# Altium PCB 2560TK_Pcb.PcbDoc (part 1 of 2)
Units mm, origin at the board's own origin, x right, y up, seen from the top; angles counter-clockwise.
Board outline 200.91 x 155.07 mm, 2 copper layers (Top Layer, Bottom Layer); 160 components, 155 nets, 636 pads, 0 vias.
Unrouted connection lines stored in the file: 210.
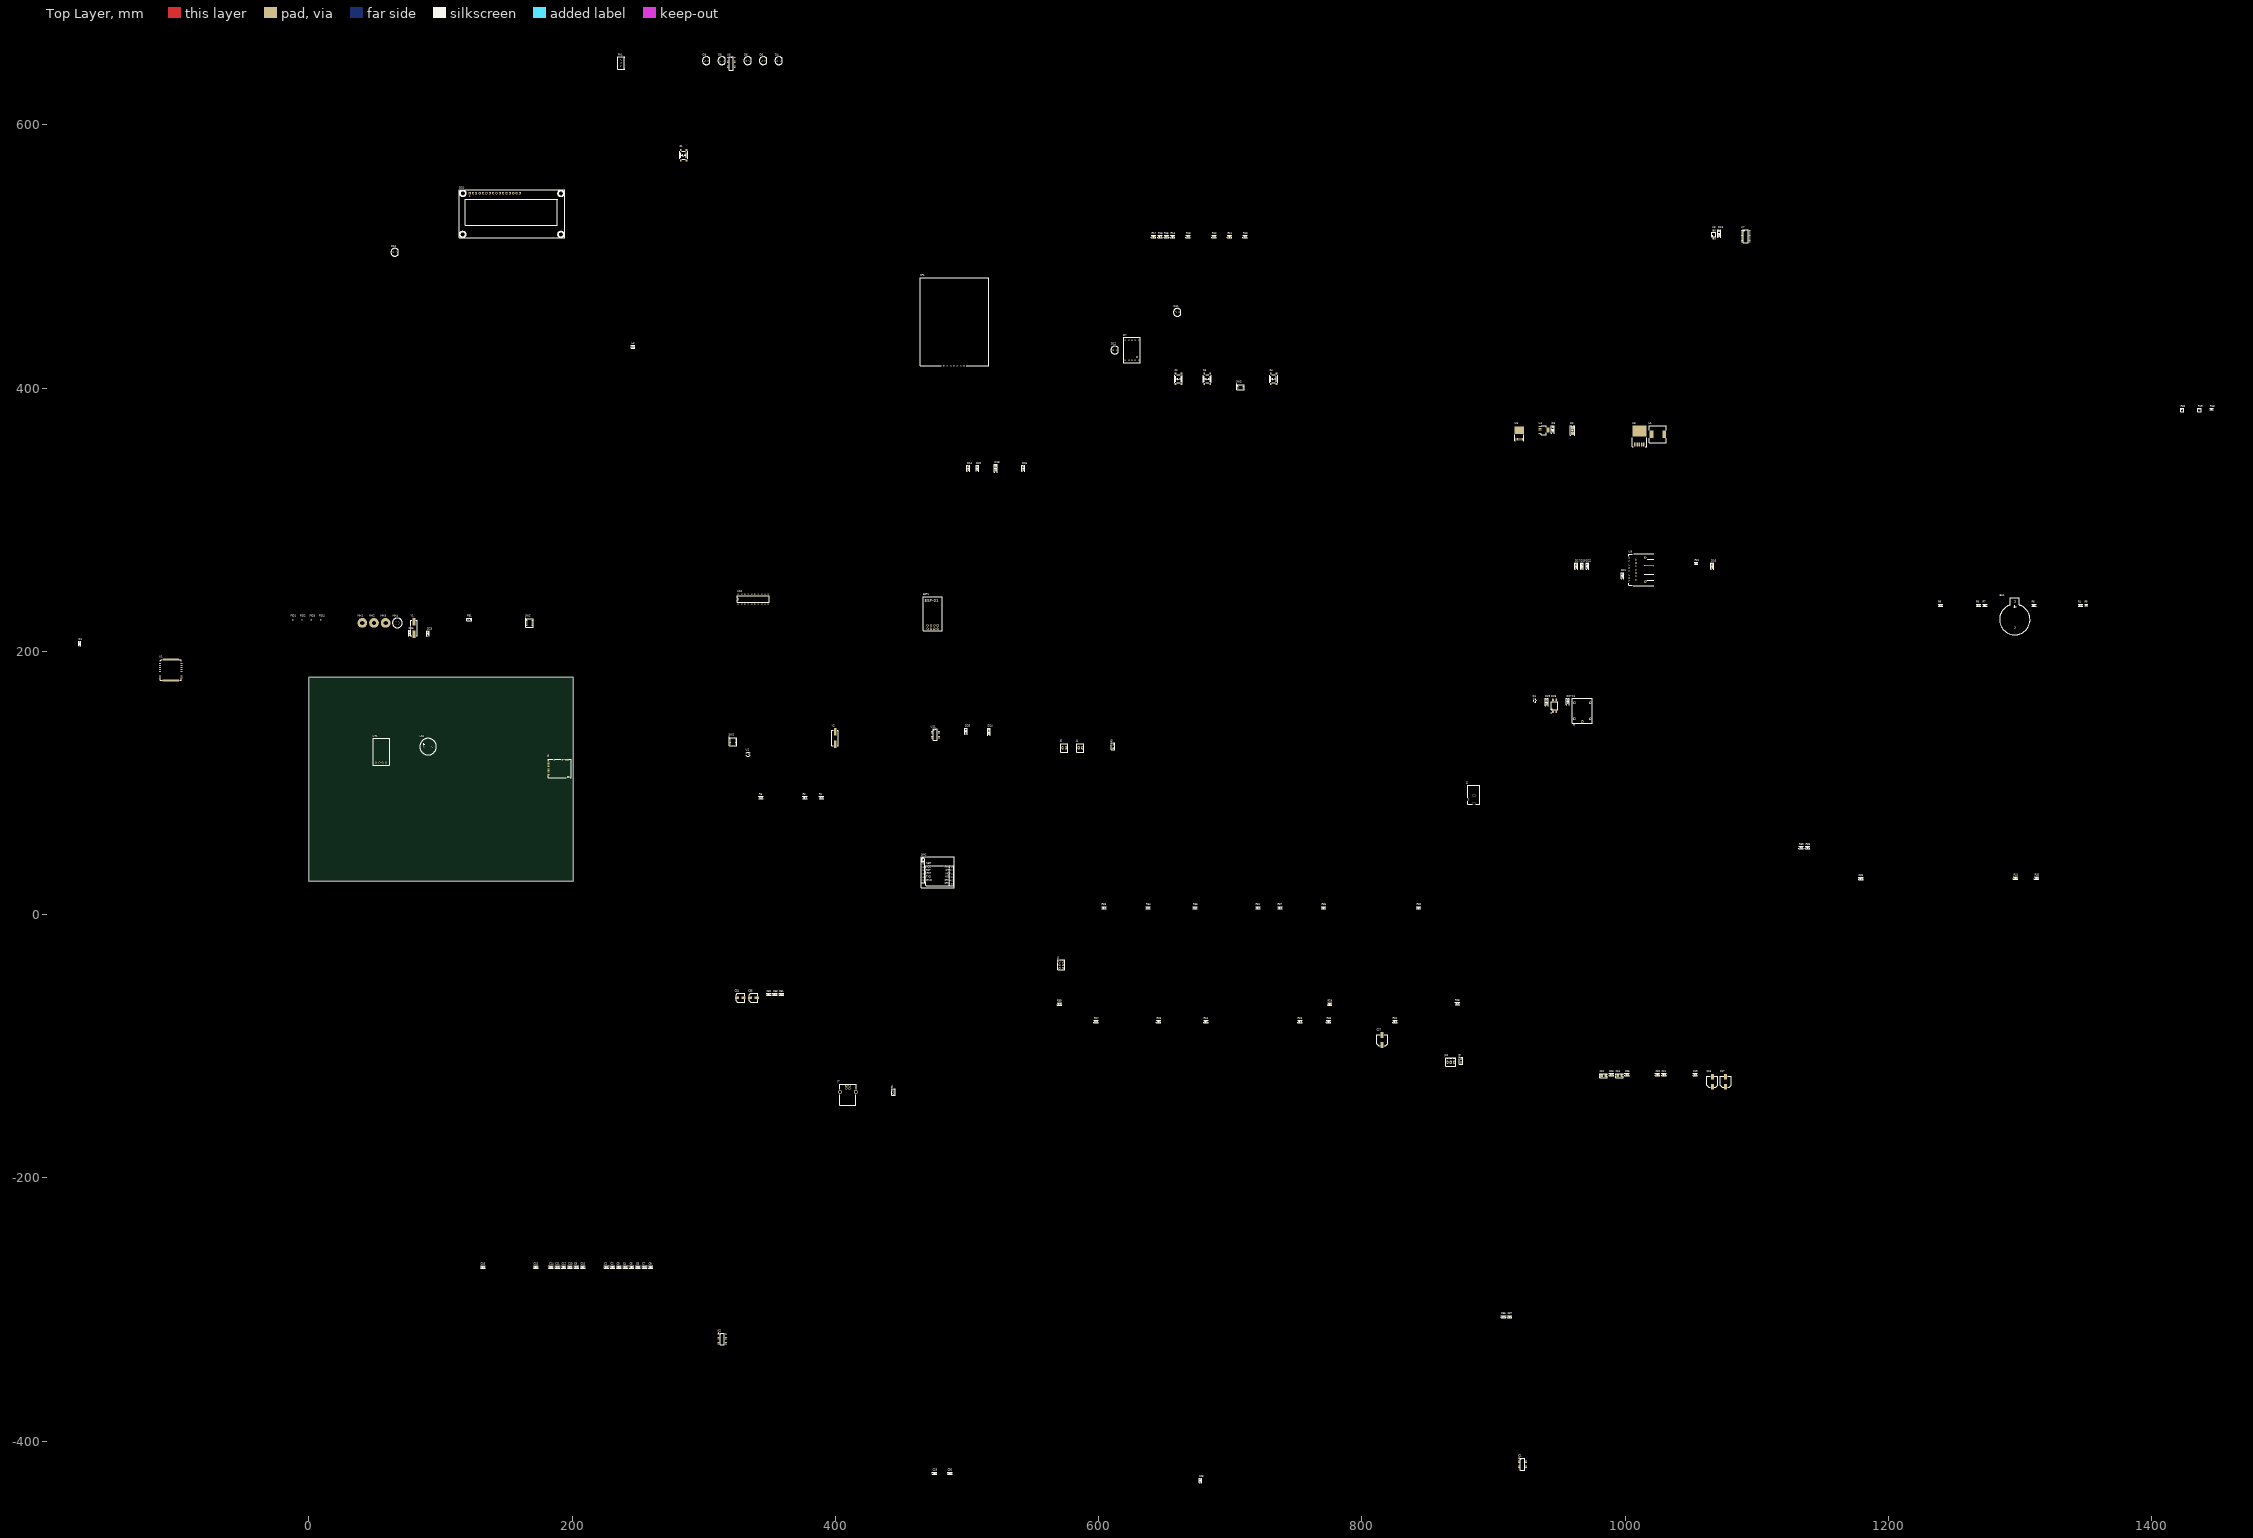
[diagram p0: Top Layer view]
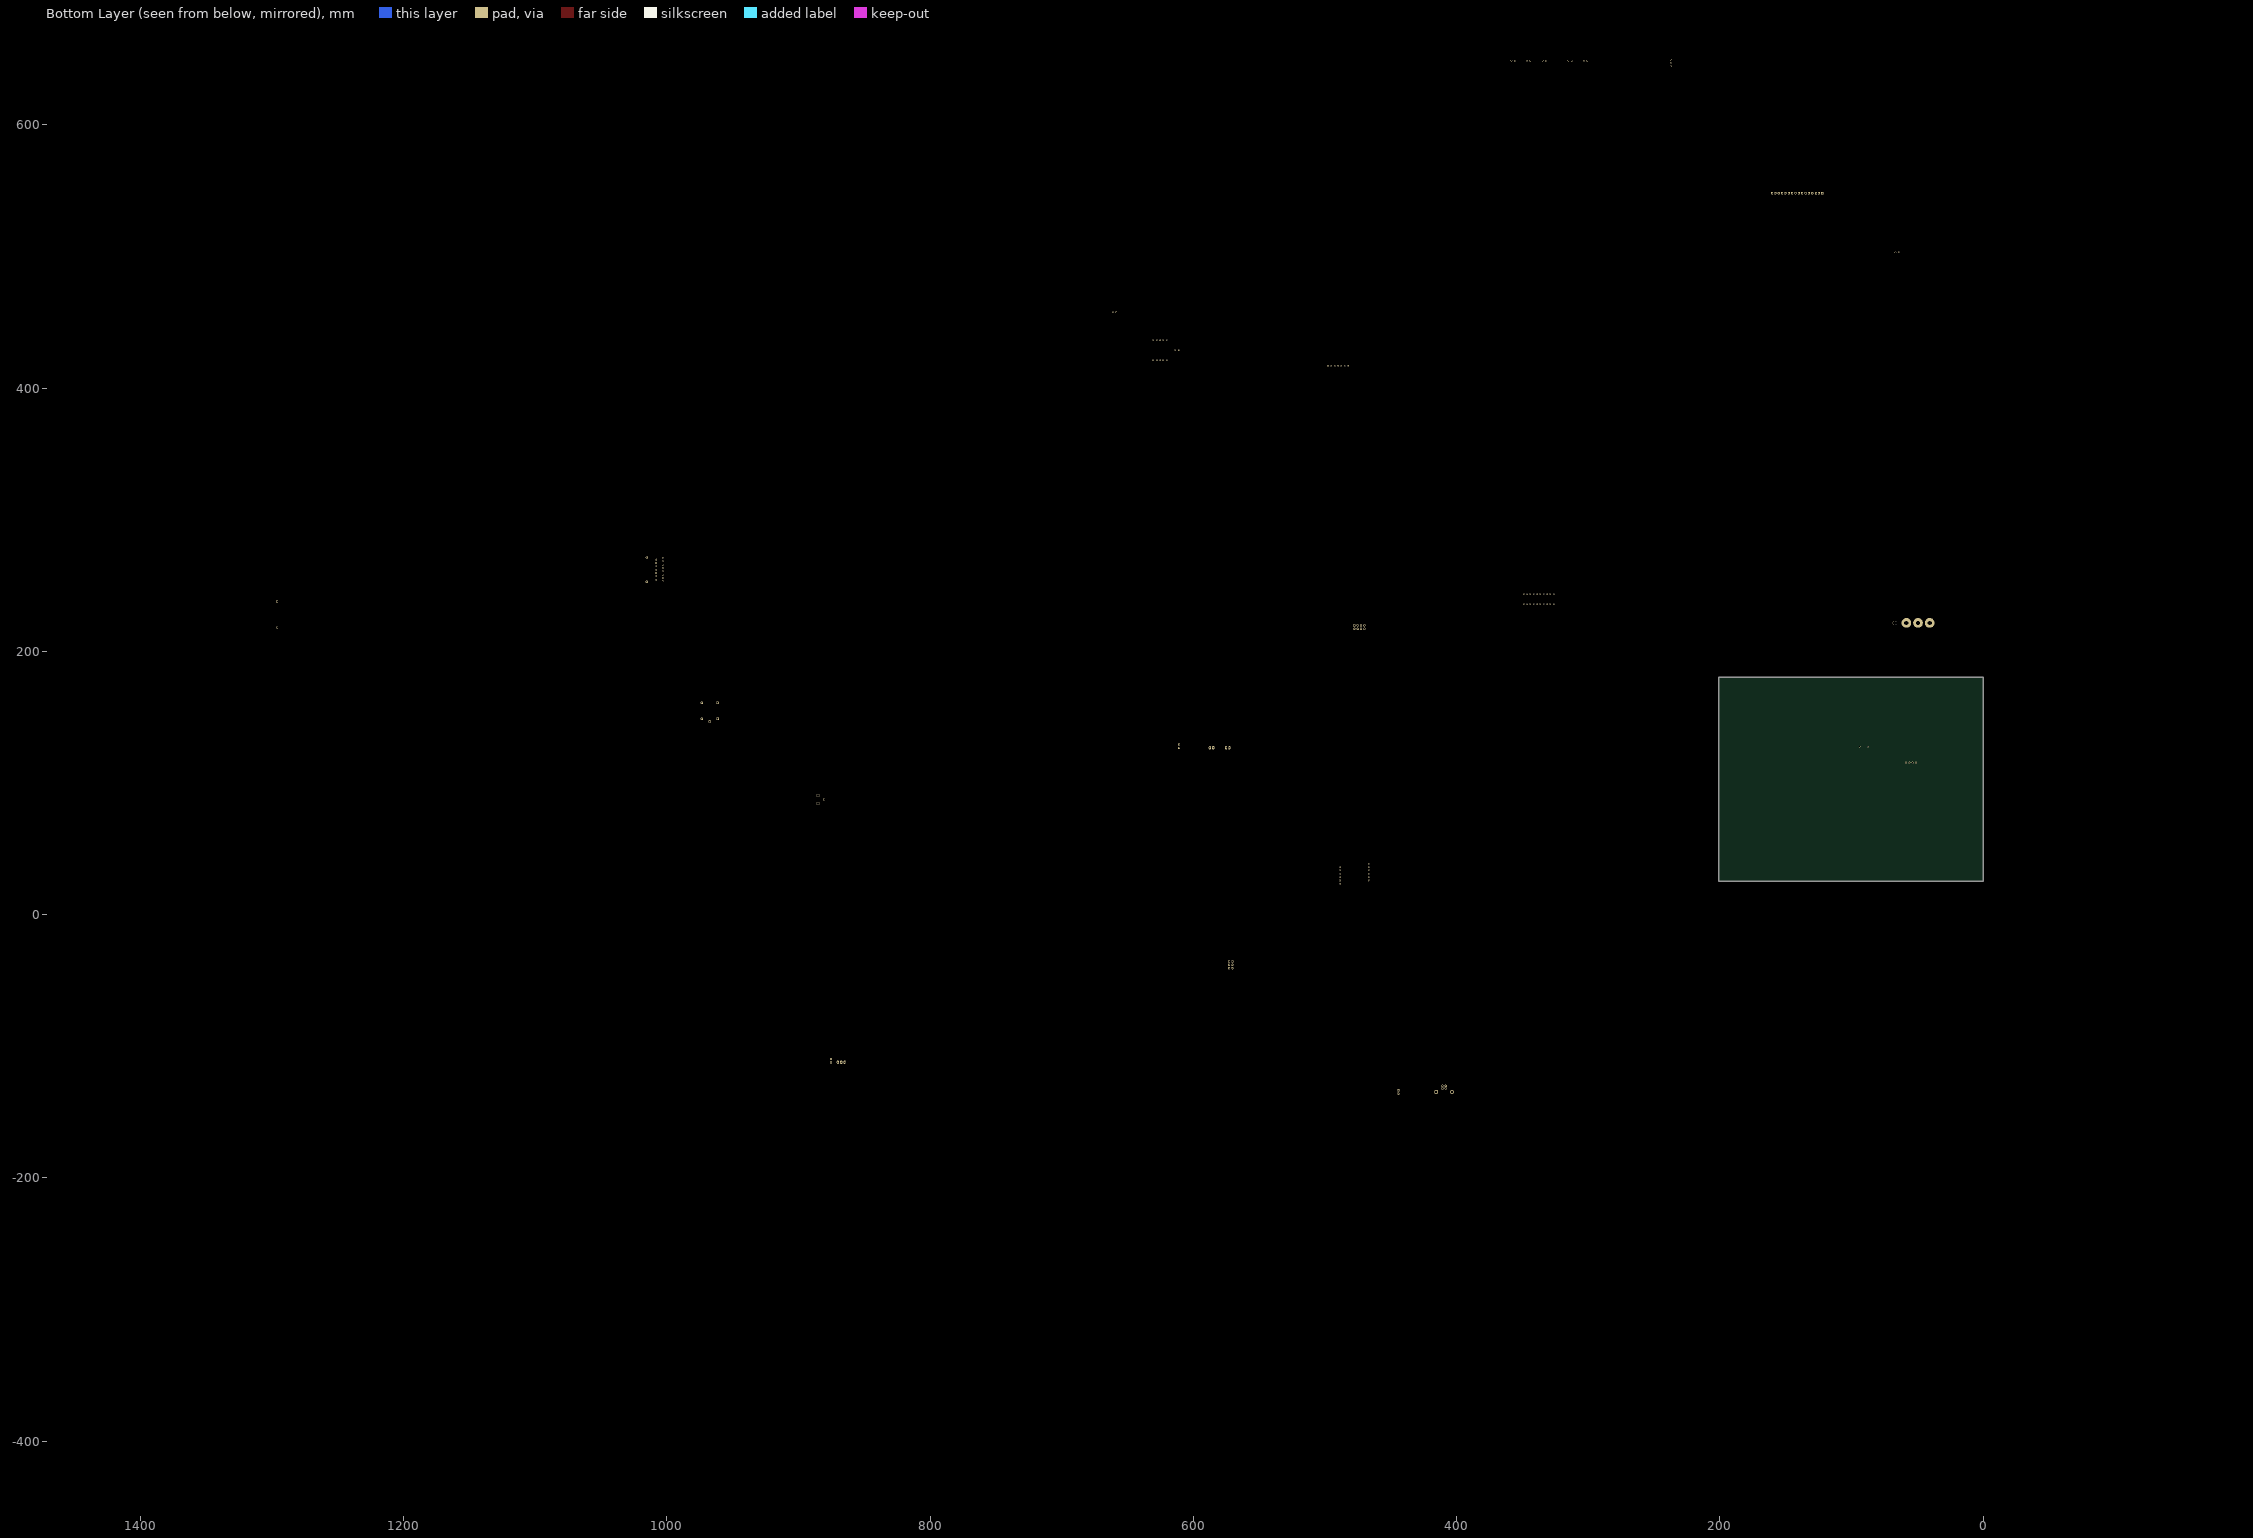
[diagram p1: Bottom Layer view, seen from below]

## Layer stack, top to bottom
Top Solder: solder mask 0.0102, Solder Resist, Dk 3.5
Top Layer: signal copper 0.0356
Dielectric 1: dielectric 0.32, FR-4, Dk 4.8
Bottom Layer: signal copper 0.0356
Bottom Solder: solder mask 0.0102, Solder Resist, Dk 3.5

## Board outline
0,25.4 200.914,25.4 200.914,180.467 0,180.467

## Design rules (kind name [scope] priority, off if disabled: settings)
Clearance [All] p1: gap=0.254 ignorepadtopadclearanceinfootprint=FALSE except(0: Arc-Hole Track-Hole SMDPad-Hole THPad-Hole Via-Hole Fill-Hole Poly-Hole Region-Hole Text-Hole)
HoleSize [All] p1: absolutevalues=TRUE maxlimit=10 minlimit=0.2 maxpercent=80.000 minpercent=20.000
HoleToHoleClearance [All] p1: gap=0.3 allowstackedmicrovias=TRUE
MinimumAnnularRing [All] p1: minimumring=0.152
MinimumSolderMaskSliver [All] p1: minsoldermaskwidth=0
PolygonConnect [All] p1: connectstyle=Relief reliefconductorwidth=0.254 reliefentries=4 polygonreliefangle="90 Angle" airgapwidth=0.254
RoomDefinition "UsbTiny Programmer" [InComponentClass('UsbTiny Programmer')] p1: confinementstyle=ConfineIn formatcopy=TRUE lockcomponents=FALSE outline 224.866,217.79 406.857,217.79 406.857,435.333 224.866,435.333
RoomDefinition RTC [InComponentClass('RTC')] p2: confinementstyle=ConfineIn formatcopy=TRUE lockcomponents=FALSE outline 1061.463,510.891 1243.455,510.891 1243.455,715.079 1061.463,715.079
RoomDefinition "Relay Module" [InComponentClass('Relay Module')] p3: confinementstyle=ConfineIn formatcopy=TRUE lockcomponents=FALSE outline 929.593,0 1067.176,0 1067.176,198.735 929.593,198.735
RoomDefinition Power [InComponentClass('Power')] p4: confinementstyle=ConfineIn formatcopy=TRUE lockcomponents=FALSE outline 877.269,214.299 1059.261,214.299 1059.261,424.343 877.269,424.343
RoomDefinition "Ouput Displays" [InComponentClass('Ouput Displays')] p5: confinementstyle=ConfineIn formatcopy=TRUE lockcomponents=FALSE outline 234.525,520.705 373.799,520.705 373.799,713.585 234.525,713.585
RoomDefinition "Motor Driver" [InComponentClass('Motor Driver')] p6: confinementstyle=ConfineIn formatcopy=TRUE lockcomponents=FALSE outline 684.096,478.158 874.108,478.158 874.108,688.202 684.096,688.202
RoomDefinition microSD [InComponentClass('microSD')] p7: confinementstyle=ConfineIn formatcopy=TRUE lockcomponents=FALSE outline 657.71,13.089 839.702,13.089 839.702,318.619 657.71,318.619
RoomDefinition Main [InComponentClass('Main')] p8: confinementstyle=ConfineIn formatcopy=TRUE lockcomponents=FALSE outline 0,209.997 190.012,209.997 190.012,427.54 0,427.54
RoomDefinition "Input Keys" [InComponentClass('Input Keys')] p9: confinementstyle=ConfineIn formatcopy=TRUE lockcomponents=FALSE outline 464.087,413.7 582.337,413.7 582.337,694.268 464.087,694.268
RoomDefinition Designator [InComponentClass('Designator')] p10: confinementstyle=ConfineIn formatcopy=TRUE lockcomponents=FALSE outline 419.969,13.334 601.961,13.334 601.961,335.474 419.969,335.474
RoutingVias [All] p1: holewidth=0.3 width=0.6 viastyle="Through Hole" minholewidth=0.3 minwidth=0.6 maxholewidth=0.3 maxwidth=0.6
SilkToSilkClearance [All] p1: silktosilkclearance=0.1
SilkToSolderMaskClearance [IsPad] p1: minsilkscreentomaskgap=0.1 clearancetoexposedcopper=TRUE
SolderMaskExpansion [All] p1: expansion=0.1 istentingtop=FALSE
Width [All] p1: maxlimit=0.5 minlimit=0.2 preferedwidth=0.3
25 further rules are at their usual default settings.

## Classes and differential pairs
component class "UsbTiny Programmer": C31 C32 C33 C34 C35 D23 D24 D25 D26 J6 J7 L2 R31 R32 R33 R34 R35 R36 R37 U10 U11 Y2
component class RTC: BH1 C26 D13 R18 R19 R20 U7 U8
component class "Relay Module": D27 D28 D29 J9 J10 K1 Q1 R40 R41
component class Power: C17 C18 C19 C20 C21 C22 C23 C24 C25 D2 D3 J2 L1 R4 R5 R6 R7 R8 R9 U3 U4 U5
component class "Ouput Displays": D4 D5 D6 D7 D8 D9 D10 D11 D12 DS1 R10 R11 R12 R13 R14 R15 R16 R17 RV1 U6
component class "Motor Driver": C27 D14 D15 D16 D17 D18 D19 D20 D21 D22 J3 J4 J5 R21 SW3 U9
component class microSD: C36 C37 IC2 J8 R38 R39
component class "Input Keys": KP1 R22 R23 R24 R25 R26 R27 S2 S3 S4
component class Designator: C28 C29 C30 ESP1 IC1 R28 R29 R30 SIM1
component class Main: C1 C2 C3 C4 C5 C6 C7 C8 C9 C10 C11 C12 C13 C14 C15 C16 D1 FB1 FID1 FID2 FID3 FID4 HT1 J1 LS1 MH1 MH2 MH3 MH4 R1 R2 R3 S1 SW1 SW2 U1 U2 Y1

## Components (designator, comment, footprint, x,y, rotation, side; value= is the part's Value field where it differs from the comment)
BH1 "Batt Holder" "BATT HOLDER" 1296.113,227.992 r90 top
C1 "10µF" "CAP 0805_2012" 225.927,-267.801 r0 top
C2 "100nF" "CAP 0805_2012" 230.747,-267.801 r0 top
C3 "10µF" "CAP 0805_2012" 235.567,-267.801 r0 top
C4 "100nF" "CAP 0805_2012" 240.387,-267.801 r0 top
C5 "10µF" "CAP 0805_2012" 245.207,-267.801 r0 top
C6 "100nF" "CAP 0805_2012" 250.027,-267.801 r0 top
C7 "10µF" "CAP 0805_2012" 254.847,-267.801 r0 top
C8 "100nF" "CAP 0805_2012" 259.667,-267.801 r0 top
C9 "10µF" "CAP 0805_2012" 203.227,-267.801 r0 top
C10 "100nF" "CAP 0805_2012" 208.047,-267.801 r0 top
C11 "10µF" "CAP 0805_2012" 188.767,-267.801 r0 top
C12 "100nF" "CAP 0805_2012" 193.587,-267.801 r0 top
C13 "100nF" "CAP 0805_2012" 198.407,-267.801 r0 top
C14 "22pF" "CAP 0805_2012" 183.947,-267.801 r0 top
C15 "22pF" "CAP 0805_2012" 172.452,-267.801 r0 top
C16 "0.1µF" "CAP 0805_2012" 132.152,-267.801 r0 top
C17 "100µF" "CAP ALSMD 8.3MM H10.5MM" 1076.446,-127.021 r90 top
C18 "220µF" "CAP ALSMD 8.3MM H10.5MM" 1066.319,-127.021 r90 top
C19 "0.1µF" "CAP 0805_2012" 1053.321,-121.586 r0 top
C20 "10µF" "CAP 0805_2012" 1024.669,-121.586 r0 top
C21 "10µF" "CAP 0805_2012" 1029.489,-121.586 r0 top
C22 "100µF" "CAP POL 1411_3528" 983.782,-122.322 r0 top
C23 "1µF" "CAP 0805_2012" 989.632,-121.586 r0 top
C24 "330µF" "CAP POL 1411_3528" 995.789,-122.322 r0 top
C25 "100nF" "CAP 0805_2012" 1001.639,-121.586 r0 top
C26 "100nF" "CAP 0805_2012" 1179.216,27.272 r0 top
C27 "220µF" "CAP ALSMD 8.3MM H10.5MM" 815.387,-95.351 r90 top
C28 "100nF" "CAP 0805_2012" 677.275,-429.919 r90 top
C29 "100nF" "CAP 0805_2012" 475.464,-424.483 r0 top
C30 "100nF" "CAP 0805_2012" 486.959,-424.483 r0 top
C31 "100nF" "CAP 0805_2012" 359.03,-60.567 r0 top
C32 "30pF" "CAP 0805_2012" 349.391,-60.567 r0 top
C33 "30pF" "CAP 0805_2012" 354.211,-60.567 r0 top
C34 "100µF" "CAP ALSMD 6.6MM H5.4MM" 327.778,-63.209 r0 top
C35 "100µF" "CAP ALSMD 6.6MM H5.4MM" 337.703,-63.209 r0 top
C36 "100nF" "CAP 0805_2012" 907.524,-305.545 r0 top
C37 "100nF" "CAP 0805_2012" 912.344,-305.545 r0 top
D1 "BAT54HT1G" SOD323 -174.152,205.854 r90 top
D2 "B340BQ-13-F" "DO214AA SMB" 960.037,367.749 r90 top
D3 "Red" "LED 1206_3216 RED" 945.136,368.663 r90 top
D4 "LED_5mm" LED_5mm 357.041,648.775 r90 top
D5 "LED_5mm" LED_5mm 345.238,648.775 r90 top
D6 "LED_5mm" LED_5mm 333.434,648.775 r90 top
D7 "7SEG_1DG" 7SEG_1DG 625.331,428.895 r90 top
D8 "LED_5mm" LED_5mm 313.761,648.775 r90 top
D9 "LED_5mm" LED_5mm 301.957,648.775 r90 top
D10 "LED_5mm" LED_5mm 65.283,503.207 r90 top
D11 "LED_5mm" LED_5mm 659.829,457.525 r90 top
D12 "LED_5mm" LED_5mm 612.345,428.895 r90 top
D13 "Red" "LED 1206_3216 RED" 1071.534,517.521 r90 top
D14 "1N4007FLTR" SOD123F 500.887,339.067 r90 top
D15 "1N4007FLTR" SOD123F 542.788,339.067 r90 top
D16 "1N4007FLTR" SOD123F 1066.245,264.755 r90 top
D17 "1N4007FLTR" SOD123F 962.872,264.755 r90 top
D18 "Red" "LED 1206_3216 RED" 521.837,339.067 r90 top
D19 "1N4007FLTR" SOD123F 967.2,264.755 r90 top
D20 "1N4007FLTR" SOD123F 507.871,339.067 r90 top
D21 "1N4007FLTR" SOD123F 998.075,257.491 r90 top
D22 "1N4007FLTR" SOD123F 971.529,264.755 r90 top
D23 "Green" "LED 0805_2012 GREEN" 90.54,213.647 r90 top
D24 "Red" "LED 1206_3216 RED" 516.717,138.827 r90 top
D25 "MMSZ5227B-E3-08" SOD-123 76.574,213.647 r90 top
D26 "MMSZ5227B-E3-08" SOD-123 499.312,139.335 r90 top
D27 "1N4007FLTR" SOD123F 956.415,161.974 r90 top
D28 "LTV-817S-TA1" "LITEON LTV-817" 946.409,158.57 r90 top
D29 "Red" "LED 1206_3216 RED" 940.441,161.466 r90 top
DS1 "LCD-1602" LCD1602 141.236,548.059 r0 top
ESP1 "ESP-01M" ESP-01 473.89,218.391 r90 top
FB1 "MPZ2012S601AT000" C0805 121.75,224.327 r0 top
FID1 "FID_1MM" FID_40x120 -12.405,223.896 r90 top
FID2 "FID_1MM" FID_40x120 -5.282,223.896 r90 top
FID3 "FID_1MM" FID_40x120 1.841,223.896 r90 top
FID4 "FID_1MM" FID_40x120 8.964,223.896 r90 top
HT1 "DHT11" DHT11 54.757,115.388 r90 top
IC1 "TXB0104DR" "TI SOIC-14 D" 922.126,-417.623 r0 top
IC2 "TXB0104DR" "TI SOIC-14 D" 314.003,-322.571 r0 top
J1 "ISP HDR" HDR_2x3 571.593,-38.197 r0 top
J2 "PJ-102AH" "CUI PJ-102AH" 885.23,90.942 r0 top
J3 "HDR_1x2" HDR_1x2 610.846,127.869 r0 top
J4 "282834-2" "TE 282834-2" 586.183,126.701 r0 top
J5 "282834-2" "TE 282834-2" 573.896,126.701 r0 top
J6 "OUTPWR" HDR_1x2 444.234,-134.805 r0 top
J7 "61729-1011BLF" "FCI USB 61729-1011BLF" 409.526,-134.805 r0 top
J8 "DM3BT-DSF-PEJS" "HIROSE DM3BT-DSF-PEJS" 189.767,111.04 r90 top
J9 "JDVCC" HDR_1x2 875.345,-110.998 r0 top
J10 "282834-3" "TE 282834-3" 867.56,-112.166 r0 top
K1 "SRD-05VDC" SRD-05VDC 967.5,153.82 r90 top
KP1 "3X4Keypad" COM-08653 490.085,416.85 r0 top
L1 "33µH" "BOURNS SRR1280" 1024.938,364.98 r0 top
L2 "2.2µH" "IND 0806_2016" 246.279,431.434 r0 top
LS1 "BUZZER" BUZZER 90.595,127.58 r0 top
MH1 "MH_7.4MMC_3.2MMD" MH_7.4MMC_3.2MMD 40.543,221.635 r0 top
MH2 "MH_7.4MMC_3.2MMD" MH_7.4MMC_3.2MMD 49.413,221.635 r0 top
MH3 "MH_7.4MMC_3.2MMD" MH_7.4MMC_3.2MMD 58.283,221.635 r0 top
MH4 "MH_7.4MMNC_3.2MMD" MH_7.4MM_3.2MMD_NON_COPPER_NPTH 67.153,221.635 r0 top
Q1 "BC847BLT3G" "ON SEMI SOT-23-3" 931.445,162.685 r0 top
R1 "10 kOhms" "RES 0805_2012" 389.362,88.838 r0 top
R2 "22 Ohms" "RES 0805_2012" 376.822,88.838 r0 top
R3 "4.7 kOhms" "RES 0805_2012" 343.511,88.838 r0 top
R4 "3 kOhms" "RES 0805_2012" 1345.946,235.053 r0 top
R5 "150 Ohms" "RES 0603_1608" 1350.375,235.257 r0 top
R6 "1 kOhms" "RES 0805_2012" 1310.532,235.053 r0 top
R7 "100 kOhms" "RES 0805_2012" 1273.309,235.053 r0 top
R8 "470 Ohms" "RES 0805_2012" 1268.489,235.053 r0 top
R9 "43 kOhms" "RES 0805_2012" 1239.656,235.053 r0 top
R10 "330 Ohms" "RES 0805_2012" 711.357,515.318 r0 top
R11 "330 Ohms" "RES 0805_2012" 699.554,515.318 r0 top
R12 "330 Ohms" "RES 0805_2012" 687.75,515.318 r0 top
R13 "330 Ohms" "RES 0805_2012" 668.077,515.318 r0 top
R14 "330 Ohms" "RES 0805_2012" 656.274,515.318 r0 top
R15 "330 Ohms" "RES 0805_2012" 651.454,515.318 r0 top
R16 "330 Ohms" "RES 0805_2012" 646.634,515.318 r0 top
R17 "330 Ohms" "RES 0805_2012" 641.814,515.318 r0 top
R18 "150 Ohms" "RES 0603_1608" 1445.676,384.114 r0 top
R19 "EXB-28V472JX" "RESNET 0804-8 CONVEX" 1436.437,383.504 r0 top
R20 "EXB-28V472JX" "RESNET 0804-8 CONVEX" 1423.358,383.504 r0 top
R21 "150 Ohms" "RES 0603_1608" 1054.062,266.927 r0 top
R22 "220 Ohms" "RES 0805_2012" 825.132,-81.179 r0 top
R23 "10 kOhms" "RES 0805_2012" 752.899,-81.179 r0 top
R24 "220 Ohms" "RES 0805_2012" 681.415,-81.179 r0 top
R25 "10 kOhms" "RES 0805_2012" 774.704,-81.179 r0 top
R26 "220 Ohms" "RES 0805_2012" 645.669,-81.179 r0 top
R27 "10 kOhms" "RES 0805_2012" 598.01,-81.179 r0 top
R28 "1 kOhms" "RES 0805_2012" 872.614,-67.641 r0 top
R29 "1 kOhms" "RES 0805_2012" 775.614,-67.845 r0 top
R30 "2 kOhms" "RES 0805_2012" 570.174,-67.845 r0 top
R31 "220 Ohms" "RES 0805_2012" 721.007,5.217 r0 top
R32 "1.5 kOhms" "RES 0805_2012" 843.121,5.217 r0 top
R33 "220 Ohms" "RES 0805_2012" 604.035,5.217 r0 top
R34 "1.5 kOhms" "RES 0805_2012" 637.601,5.217 r0 top
R35 "10 kOhms" "RES 0805_2012" 770.888,5.217 r0 top
R36 "33.2 Ohms" "RES 0805_2012" 673.298,5.217 r0 top
R37 "33.2 Ohms" "RES 0805_2012" 737.79,5.217 r0 top
R38 "220 Ohms" "RES 0805_2012" 1138.644,51.094 r0 top
R39 "10 kOhms" "RES 0805_2012" 1133.824,51.094 r0 top
R40 "1 kOhms" "RES 0805_2012" 1312.764,27.856 r0 top
R41 "1 kOhms" "RES 0805_2012" 1296.7,27.856 r0 top
RV1 "3296W-10K_Trim_Pot" 3296W_TrimPot 237.357,647.074 r0 top
S1 "PTS645SM43SMTR92 LFS" "C&K PTS645" 284.638,577.004 r90 top
S2 "PTS645SM43SMTR92 LFS" "C&K PTS645" 660.715,406.987 r90 top